# Altium PCB IDC_MCX_Adapter.PCBDOC (part 3 of 3)
Units mm, origin at the board's own origin, x right, y up, seen from the top; angles counter-clockwise.
Board outline 125 x 100 mm, 6 copper layers (L1, GND1, L2, L3, GND2, L4), stack 1.516 mm thick; 264 components, 203 nets, 818 pads, 676 vias.
Unrouted connection lines stored in the file: 2.
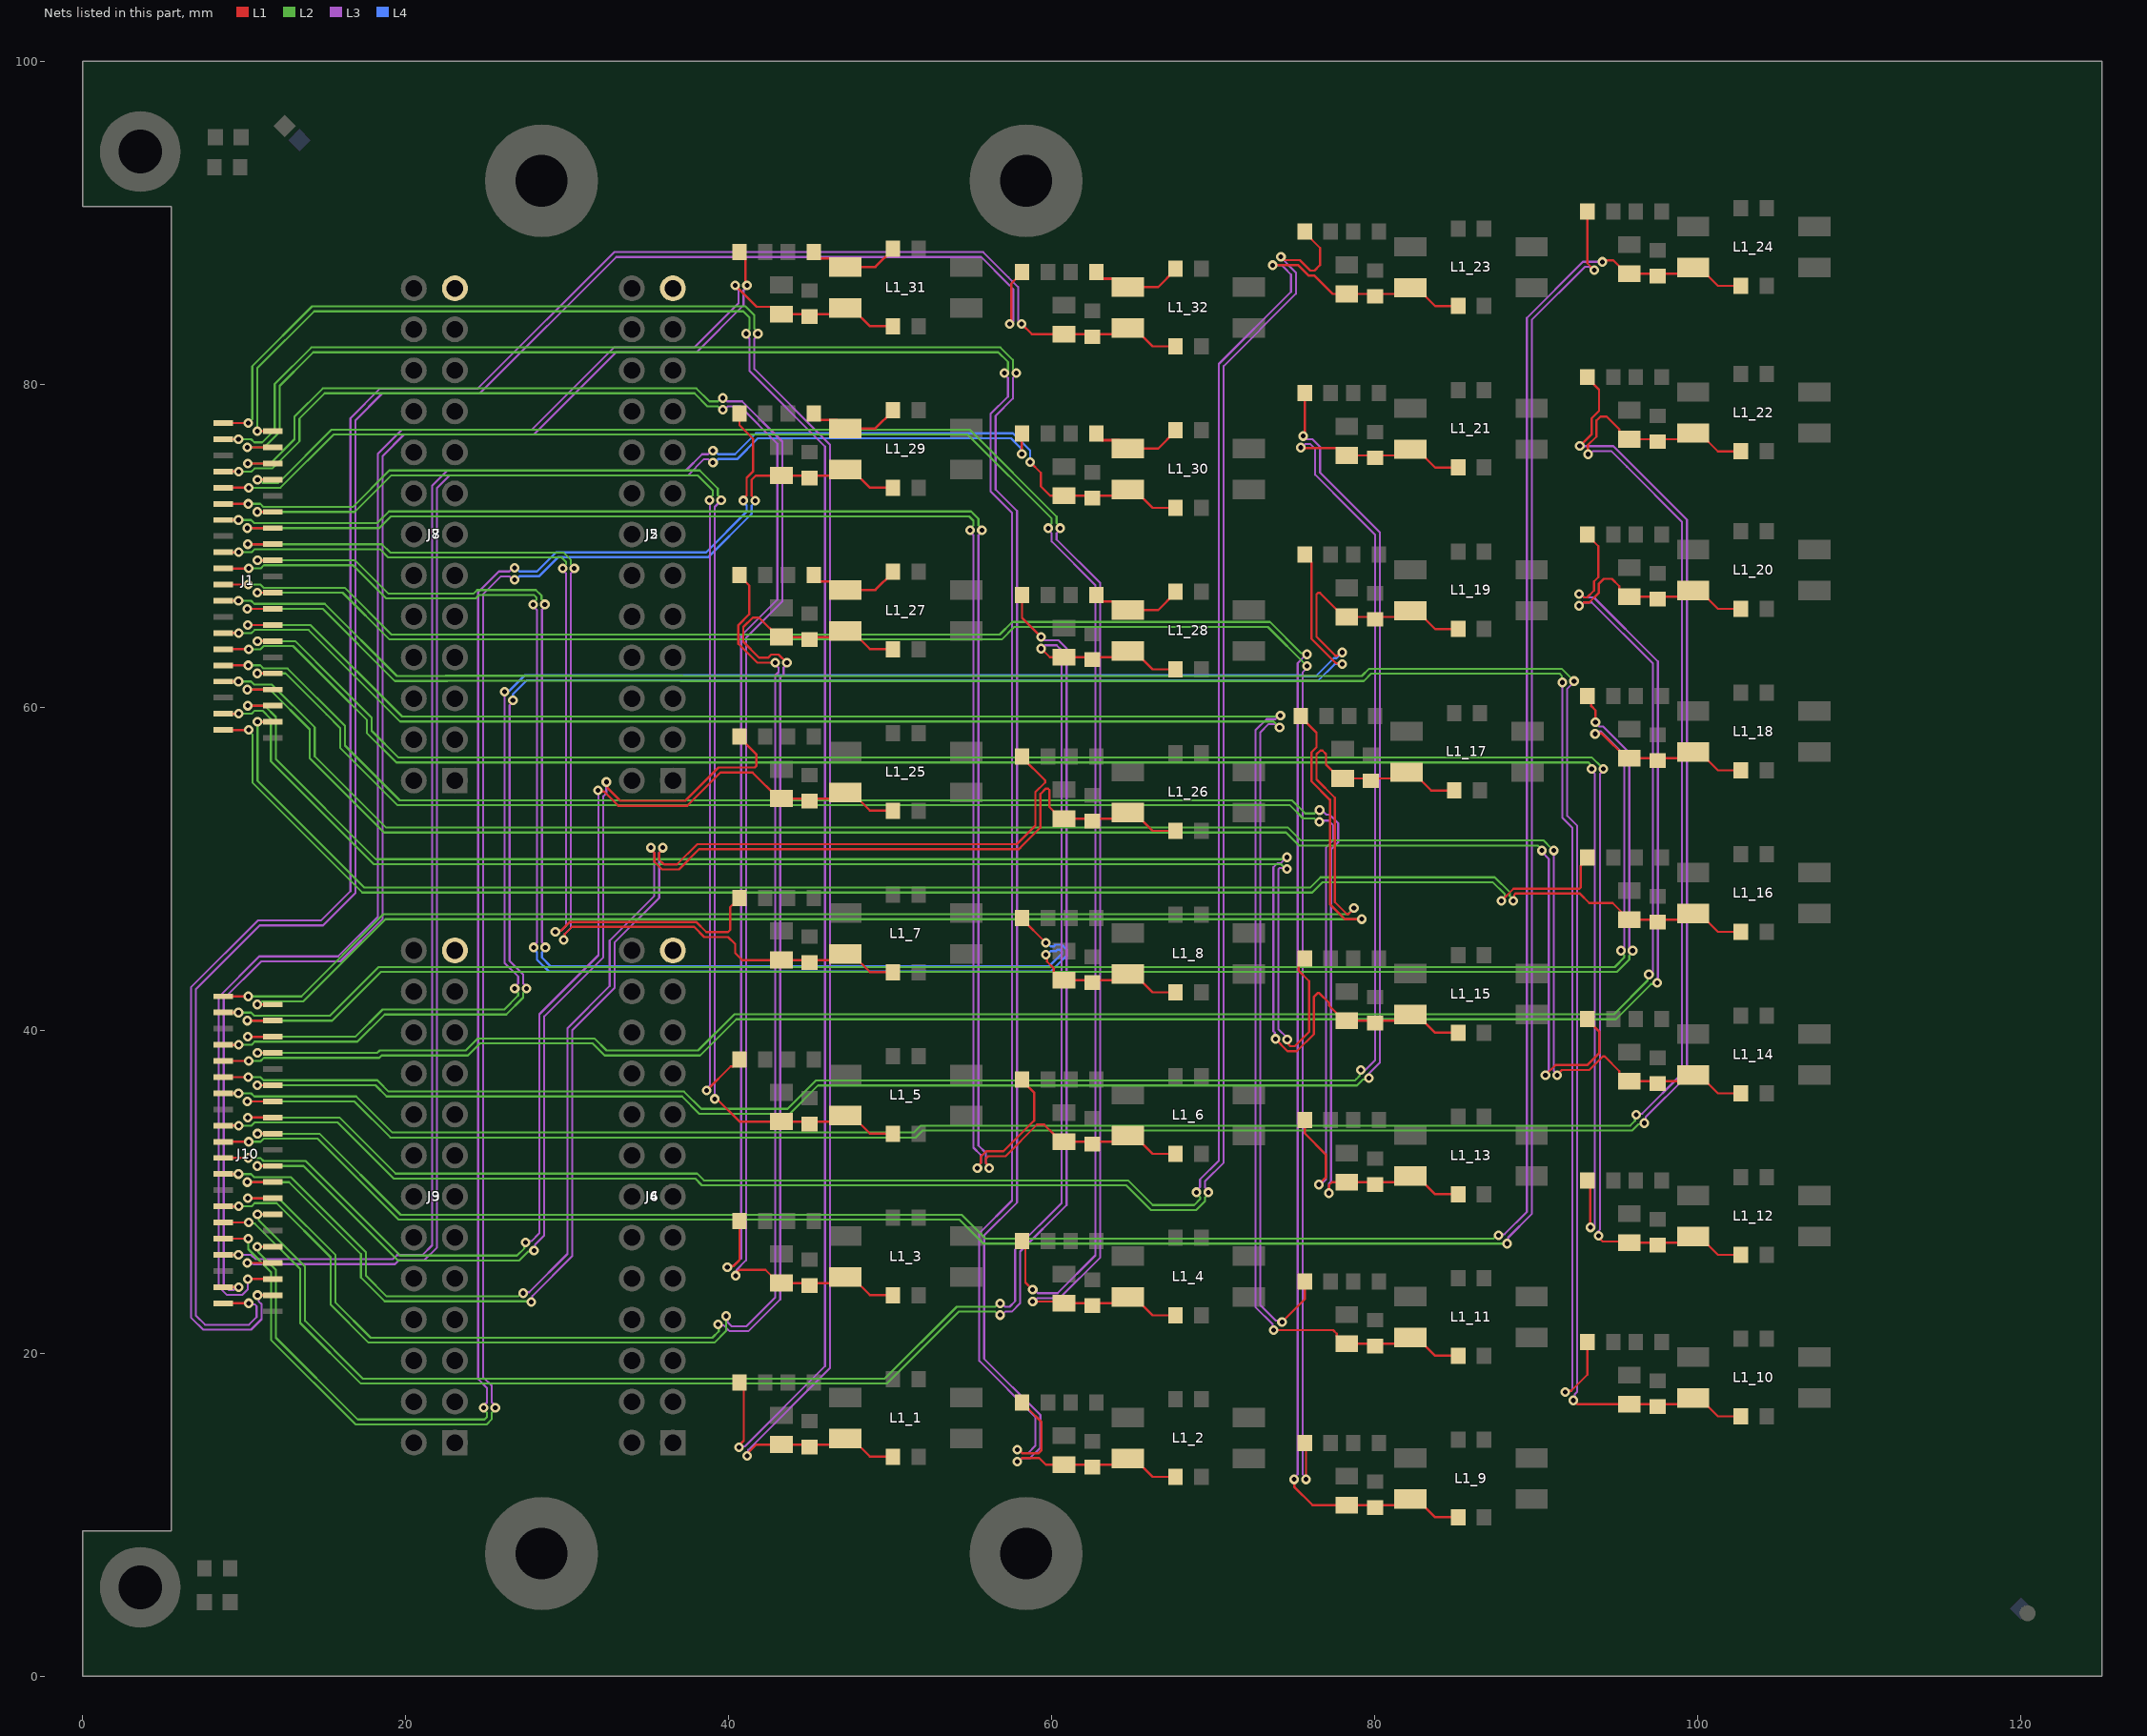
[diagram p7: the nets of this part, all layers, seen from the top]

## Via types
v1: diameter 0.6, hole 0.3, L1 to L4, tented both sides, 676 vias

## Nets (pads, with @x,y where several pads share a name; then routed paths per layer and width w, separated by ;. In a path a pad name is that pad's centre, name@x,y a point inside that pad or via, vN(x,y) a via of type N, cw(c..) or ccw(c..) an arc to the next point about the centre after c; other vN are vias at no path point) (continued)
NetL1_27_1: L1_27.1 R1_27.1 R2_27.2 | length 5.8
  L1 w0.152: R2_27.2@45.25,68.2 45.25,68.168 45.624,67.794 46.676,67.794 L1_27.1@47.2,67.27 49.07,67.27 50.15,68.35 R1_27.1@50.15,68.4
NetL1_28_1: L1_28.1 R1_28.1 R2_28.2 | length 5.8
  L1 w0.152: R2_28.2@62.75,66.95 62.75,66.918 63.124,66.544 64.176,66.544 L1_28.1@64.7,66.02 66.57,66.02 67.65,67.1 R1_28.1@67.65,67.15
NetL1_29_1: L1_29.1 R1_29.1 R2_29.2 | length 5.8
  L1 w0.152: R2_29.2@45.25,78.2 45.25,78.168 45.624,77.794 46.676,77.794 L1_29.1@47.2,77.27 49.07,77.27 50.15,78.35 R1_29.1@50.15,78.4
NetL1_30_1: L1_30.1 R1_30.1 R2_30.2 | length 5.8
  L1 w0.152: R2_30.2@62.75,76.95 62.75,76.918 63.124,76.544 64.176,76.544 L1_30.1@64.7,76.02 66.57,76.02 67.65,77.1 R1_30.1@67.65,77.15
NetL1_31_1: L1_31.1 R1_31.1 R2_31.2 | length 5.8
  L1 w0.152: R2_31.2@45.25,88.2 45.25,88.168 45.624,87.794 46.676,87.794 L1_31.1@47.2,87.27 49.07,87.27 50.15,88.35 R1_31.1@50.15,88.4
NetL1_32_1: L1_32.1 R1_32.1 R2_32.2 | length 5.8
  L1 w0.152: R2_32.2@62.75,86.95 62.75,86.918 63.124,86.544 64.176,86.544 L1_32.1@64.7,86.02 66.57,86.02 67.65,87.1 R1_32.1@67.65,87.15
OUT_N1: C1_1.1 J1.1 L1_1.2 R4_1.1 R5_1.1 | length 122.9
  L1 w0.137: J1.1@8.7,77.6 v1(10.242,77.6) ; v1(41.132,13.656) 41.132,13.781 41.701,14.35 C1_1.1@43.25,14.35 46.82,14.35 L1_1.2@47.2,14.73 47.6,14.73 48.73,13.6 R5_1.1@50.15,13.6
  L3 w0.127: v1(41.132,13.656) 41.202,13.727 41.202,14.025 46.253,19.076 46.253,76.276 41.577,80.953 41.577,82.823 41.788,83.034 v1(41.788,83.134)
  L2 w0.127: v1(10.242,77.6) 10.487,77.844 10.487,81.124 14.192,84.828 41.019,84.828 41.577,84.271 41.577,83.445 41.788,83.234 v1(41.788,83.134)
OUT_N2: C1_2.1 J1.3 L1_2.2 R4_2.1 R5_2.1 | length 136.8
  L1 w0.137: J1.3@8.7,76.6 v1(9.633,76.6) ; v1(57.855,13.302) 57.956,13.302 58.167,13.513 59.207,13.513 59.62,13.1 C1_2.1@60.75,13.1 64.32,13.1 L1_2.2@64.7,13.48 65.1,13.48 66.23,12.35 R5_2.1@67.65,12.35
  L3 w0.127: v1(57.791,80.698) 57.791,80.598 57.579,80.387 57.579,79.119 56.509,78.048 56.509,73.488 57.836,72.161 57.836,29.337 55.804,27.305 55.804,19.66 59.279,16.184 59.279,14.153 58.639,13.513 58.166,13.513 57.955,13.302 v1(57.855,13.302)
  L2 w0.127: v1(9.633,76.6) 10.418,76.6 10.614,76.405 11.101,76.405 11.879,77.183 11.879,80.027 14.141,82.288 56.802,82.288 57.579,81.511 57.579,80.698 v1(57.791,80.698)
OUT_N3: C1_3.1 J1.6 L1_3.2 R4_3.1 R5_3.1 | length 102.7
  L1 w0.137: v1(10.208,75.1) J1.6@11.75,75.1 ; v1(40.417,24.81) 40.417,24.927 40.66,25.169 42.256,25.169 43.075,24.35 C1_3.1@43.25,24.35 46.82,24.35 L1_3.2@47.2,24.73 47.6,24.73 48.73,23.6 R5_3.1@50.15,23.6
  L3 w0.127: v1(39.624,79.154) 39.692,79.154 39.903,78.943 ; 39.929,78.943 40.818,78.943 43.307,76.454 43.307,66.549 41.061,64.303 41.061,25.752 40.488,25.179 40.488,24.88 v1(40.417,24.81)
  L2 w0.127: v1(10.208,75.1) 11.608,75.1 13.106,76.599 13.106,78.003 14.852,79.748 37.991,79.748 38.797,78.943 39.313,78.943 39.524,79.154 v1(39.624,79.154)
OUT_N4: C1_4.1 J1.8 L1_4.2 R4_4.1 R5_4.1 | length 116.1
  L1 w0.137: v1(10.817,74.1) J1.8@11.75,74.1 ; v1(58.808,23.207) 60.643,23.207 C1_4.1@60.75,23.1 62.35,23.1 R4_4.1@62.5,22.95 ; R4_4.1@62.5,23.1 64.32,23.1 L1_4.2@64.7,23.48 65.1,23.48 66.23,22.35 R5_4.1@67.65,22.35
  L3 w0.127: v1(58.808,23.207) 58.908,23.207 59.119,23.418 60.477,23.418 62.996,25.937 62.996,67.687 60.29,70.393 60.29,70.784 60.501,70.995 v1(60.501,71.095)
  L2 w0.127: v1(10.817,74.1) 10.933,74.1 11.128,73.905 12.107,73.905 15.397,77.194 54.91,77.194 60.29,71.815 60.29,71.405 60.501,71.194 v1(60.501,71.095)
OUT_N5: C1_5.1 J1.11 L1_5.2 R4_5.1 R5_5.1 | length 82.4
  L1 w0.137: J1.11@8.7,72.6 v1(10.242,72.6) ; v1(39.125,35.754) 39.246,35.754 40.65,34.35 C1_5.1@43.25,34.35 46.82,34.35 L1_5.2@47.2,34.73 47.6,34.73 48.73,33.6 R5_5.1@50.15,33.6
  L3 w0.127: v1(39.125,35.754) 39.125,72.409 39.52,72.804 v1(39.52,72.822)
  L2 w0.127: v1(10.242,72.6) 10.985,72.6 11.181,72.405 16.71,72.405 18.974,74.668 38.187,74.668 39.309,73.546 39.309,73.133 39.52,72.922 v1(39.52,72.822)
OUT_N6: C1_6.1 J1.13 L1_6.2 R4_6.1 R5_6.1 | length 102.3
  L1 w0.137: J1.13@8.7,71.6 v1(9.633,71.6) ; v1(56.112,31.471) 56.112,31.571 55.901,31.782 55.901,32.051 56.057,32.207 57.125,32.207 59.08,34.163 59.512,34.163 60.119,33.556 60.575,33.1 C1_6.1@60.75,33.1 64.32,33.1 L1_6.2@64.7,33.48 65.1,33.48 66.23,32.35 R5_6.1@67.65,32.35
  L3 w0.127: v1(55.659,70.968) 55.659,70.868 55.448,70.657 55.448,32.862 55.901,32.41 55.901,31.781 56.112,31.57 v1(56.112,31.471)
  L2 w0.127: v1(9.633,71.6) 10.418,71.6 10.614,71.405 18.225,71.405 18.948,72.128 19.075,72.128 54.998,72.128 55.105,72.021 55.448,71.678 55.448,71.278 55.659,71.067 v1(55.659,70.968)
OUT_N7: C1_7.1 J1.16 L1_7.2 R4_7.1 R5_7.1 | length 68.5
  L1 w0.137: v1(10.208,70.1) J1.16@11.75,70.1 ; v1(29.769,45.593) 29.84,45.664 29.84,45.963 30.283,46.406 37.85,46.406 38.48,45.776 39.951,45.776 40.385,45.343 40.385,44.786 40.821,44.35 C1_7.1@43.25,44.35 46.82,44.35 L1_7.2@47.2,44.73 47.6,44.73 48.73,43.6 R5_7.1@50.15,43.6
  L3 w0.127: v1(29.769,45.593) 29.839,45.664 29.839,45.962 30.217,46.34 30.217,68.295 30.428,68.506 v1(30.428,68.605)
  L2 w0.127: v1(10.208,70.1) 18.521,70.1 19.032,69.588 29.757,69.588 30.217,69.128 30.217,68.853 30.428,68.642 v1(30.428,68.605)
OUT_N8: C1_8.1 J1.18 L1_8.2 R4_8.1 R5_8.1 | length 86.1
  L1 w0.137: v1(10.817,69.1) J1.18@11.75,69.1 ; v1(59.614,44.688) 59.702,44.6 59.702,44.25 60.119,43.834 60.119,43.556 60.575,43.1 C1_8.1@60.75,43.1 64.32,43.1 L1_8.2@64.7,43.48 65.1,43.48 66.23,42.35 R5_8.1@67.65,42.35
  L3 w0.127: v1(28.605,66.374) 28.605,66.246 28.423,66.064 28.423,45.447 28.634,45.236 v1(28.634,45.136)
  L2 w0.127: v1(10.817,69.1) 16.854,69.1 18.905,67.049 24.199,67.049 24.418,67.268 28.046,67.268 28.394,66.92 28.394,66.685 28.605,66.474 v1(28.605,66.374)
  L4 w0.137: v1(28.634,45.136) 28.634,45.035 28.423,44.824 28.423,44.501 28.973,43.951 59.808,43.951 60.605,44.748 60.605,44.862 60.466,45.001 60.346,45.001 60.244,44.899 59.926,44.899 59.714,44.688 v1(59.614,44.688)
OUT_N9: C1_9.1 J1.21 L1_9.2 R4_9.1 R5_9.1 | length 132.6
  L1 w0.137: J1.21@8.7,67.6 v1(10.242,67.6) ; v1(75,12.192) 75,11.737 76.137,10.6 C1_9.1@78.25,10.6 80,10.6 81.82,10.6 L1_9.2@82.2,10.98 82.6,10.98 83.73,9.85 R5_9.1@85.15,9.85
  L3 w0.127: v1(75,12.192) 75,12.292 75.211,12.503 75.211,13.31 75.211,62.737 75.753,63.279 v1(75.794,63.279)
  L2 w0.127: v1@10.268,67.599 10.986,67.599 11.181,67.405 16.212,67.405 19.108,64.509 56.762,64.509 57.537,65.284 73.493,65.284 75.426,63.351 75.722,63.351 v1(75.794,63.279)
OUT_N10: C1_10.1 J1.23 L1_10.2 R4_10.1 R5_10.1 | length 142
  L1 w0.137: J1.23@8.7,66.6 v1(9.633,66.6) ; v1(92.287,17.085) 92.522,16.85 C1_10.1@95.75,16.85 99.32,16.85 L1_10.2@99.7,17.23 100.1,17.23 101.23,16.1 R5_10.1@102.65,16.1
  L3 w0.127: v1@92.236,61.482 91.903,61.15 91.903,53.283 92.524,52.663 92.524,17.627 92.367,17.471 92.367,17.165 v1(92.287,17.085)
  L2 w0.127: v1(9.633,66.6) 10.418,66.6 10.614,66.405 14.977,66.405 19.447,61.935 22.429,61.935 22.449,61.954 37.116,61.954 37.135,61.935 79.181,61.935 79.636,62.389 91.556,62.389 v1(92.321,61.625)
OUT_N11: C1_11.1 J1.26 L1_11.2 R4_11.1 R5_11.1 | length 119.9
  L1 w0.137: v1(10.208,65.1) J1.26@11.75,65.1 ; v1(73.73,21.432) 77.418,21.432 77.629,21.221 77.629,21.056 78.086,20.6 C1_11.1@78.25,20.6 81.82,20.6 L1_11.2@82.2,20.98 82.6,20.98 83.73,19.85 R5_11.1@85.15,19.85
  L3 w0.127: v1(73.73,21.432) 73.66,21.502 73.66,21.801 72.596,22.865 72.596,58.572 73.294,59.271 73.836,59.271 74.046,59.481 v1(74.146,59.481)
  L2 w0.127: v1(10.208,65.1) 14.097,65.1 19.769,59.429 74.094,59.429 v1(74.146,59.481)
OUT_N12: C1_12.1 J1.28 L1_12.2 R4_12.1 R5_12.1 | length 126.9
  L1 w0.137: v1(10.817,64.1) J1.28@11.75,64.1 ; v1(93.849,27.283) 93.849,27.173 94.095,26.927 95.673,26.927 C1_12.1@95.75,26.85 99.32,26.85 L1_12.2@99.7,27.23 100.1,27.23 101.23,26.1 R5_12.1@102.65,26.1
  L3 w0.127: v1(93.849,27.283) 93.753,27.38 93.753,27.485 93.921,27.653 93.921,55.866 94.14,56.085 v1(94.14,56.185)
  L2 w0.127: v1(10.817,64.1) 13.141,64.1 15.659,61.582 17.882,59.359 17.882,58.546 19.539,56.888 93.437,56.888 93.986,56.339 93.986,56.318 93.929,56.261 94.005,56.185 v1(94.14,56.185)
OUT_N13: C1_13.1 J1.31 L1_13.2 R4_13.1 R5_13.1 | length 106.3
  L1 w0.137: J1.31@8.7,62.6 v1(10.242,62.6) ; v1(77.146,29.915) 77.165,29.934 77.165,30.421 77.344,30.6 C1_13.1@78.25,30.6 80,30.6 81.82,30.6 L1_13.2@82.2,30.98 82.6,30.98 83.73,29.85 R5_13.1@85.15,29.85
  L3 w0.127: v1(76.569,53.635) 76.697,53.635 76.967,53.365 77.18,53.365 77.724,52.821 77.724,51.647 77.279,51.203 77.279,30.646 77.146,30.512 v1(77.146,29.915)
  L2 w0.127: v1(10.242,62.6) 10.985,62.6 11.181,62.405 12.677,62.405 16.231,58.851 16.231,57.632 19.62,54.243 74.859,54.243 75.678,53.424 76.258,53.424 76.47,53.635 v1(76.569,53.635)
OUT_N14: C1_14.1 J1.33 L1_14.2 R4_14.1 R5_14.1 | length 115.1
  L1 w0.137: J1.33@8.7,61.6 v1(9.633,61.6) ; v1(91.278,37.228) 91.278,37.253 91.567,37.541 93.263,37.541 94.104,38.382 94.218,38.382 95.129,37.471 95.129,37.306 95.586,36.85 C1_14.1@95.75,36.85 99.32,36.85 L1_14.2@99.7,37.23 100.1,37.23 101.23,36.1 R5_14.1@102.65,36.1
  L3 w0.127: v1(91.067,51.13) 91.067,37.496 91.278,37.285 v1(91.278,37.228)
  L2 w0.127: v1(9.633,61.6) 10.418,61.6 10.614,61.405 11.709,61.405 14.351,58.762 14.351,56.972 18.771,52.553 74.617,52.553 75.417,51.752 90.446,51.752 90.913,51.285 90.913,51.261 90.856,51.205 90.931,51.13 v1(91.067,51.13)
OUT_N15: C1_15.1 J1.36 L1_15.2 R4_15.1 R5_15.1 | length 99.1
  L1 w0.137: v1(10.208,60.1) J1.36@11.75,60.1 ; v1(73.838,39.472) 73.838,39.452 74.58,38.71 75.159,38.71 76.225,39.776 76.225,42.088 76.437,42.3 76.55,42.3 77.155,41.695 77.155,41.52 78.075,40.6 C1_15.1@78.25,40.6 81.82,40.6 L1_15.2@82.2,40.98 82.6,40.98 83.73,39.85 R5_15.1@85.15,39.85
  L3 w0.127: v1(73.838,39.472) 73.793,39.516 73.793,39.867 73.713,39.947 73.713,50.1 73.966,50.353 74.187,50.353 v1(74.549,50.714)
  L2 w0.127: v1(10.208,60.1) 11.249,60.1 11.95,59.398 11.95,56.782 18.136,50.596 74.238,50.596 74.266,50.624 74.458,50.624 v1(74.549,50.714)
OUT_N16: C1_16.1 J1.38 L1_16.2 R4_16.1 R5_16.1 | length 101.9
  L1 w0.137: v1(10.817,59.1) J1.38@11.75,59.1 ; v1(88.552,48.006) 88.616,48.07 88.616,48.383 88.697,48.463 92.685,48.463 93.263,47.885 94.715,47.885 C1_16.1@95.75,46.85 99.32,46.85 L1_16.2@99.7,47.23 100.1,47.23 101.23,46.1 R5_16.1@102.65,46.1
  L2 w0.127: v1(10.817,59.1) 10.817,55.451 17.436,48.833 75.985,48.833 76.632,49.479 87.414,49.479 88.341,48.552 88.341,48.317 88.552,48.106 v1(88.552,48.006)
OUT_N17: C1_17.1 J10.1 L1_17.2 R4_17.1 R5_17.1 | length 93.9
  L1 w0.137: J10.1@8.7,42.1 v1(10.242,42.1) ; v1(78.693,47.58) 78.693,47.529 78.364,47.2 78.25,47.2 77.515,47.936 77.515,54.404 76.378,55.541 76.378,57.093 76.612,57.328 76.748,57.328 76.968,57.108 76.968,56.457 77.825,55.6 C1_17.1@78,55.6 81.57,55.6 L1_17.2@81.95,55.98 82.35,55.98 83.48,54.85 R5_17.1@84.9,54.85
  L2 w0.127: v1(10.242,42.1) 13.526,42.1 18.613,47.187 78.317,47.187 78.693,47.563 v1(78.693,47.58)
OUT_N18: C1_18.1 J10.3 L1_18.2 R4_18.1 R5_18.1 | length 113.8
  L1 w0.137: J10.3@8.7,41.1 v1(9.633,41.1) ; v1(93.624,58.354) 93.645,58.375 94.05,58.375 95.575,56.85 C1_18.1@95.75,56.85 99.32,56.85 L1_18.2@99.7,57.23 100.1,57.23 101.23,56.1 R5_18.1@102.65,56.1
  L3 w0.127: v1(93.624,58.354) 93.737,58.354 93.886,58.504 93.996,58.504 95.438,57.062 95.438,45.069 95.302,44.933 v1(95.226,44.933)
  L2 w0.127: v1(9.633,41.1) 10.418,41.1 10.614,40.905 15.302,40.905 18.313,43.917 94.841,43.917 95.438,44.513 95.438,44.622 95.226,44.833 v1(95.226,44.933)
OUT_N19: C1_19.1 J10.6 L1_19.2 R4_19.1 R5_19.1 | length 106.5
  L1 w0.137: v1(10.208,39.6) J10.6@11.75,39.6 ; v1(77.978,63.4) 77.871,63.4 77.666,63.196 77.553,63.196 76.376,64.373 76.376,66.994 76.465,67.084 76.591,67.084 78.075,65.6 C1_19.1@78.25,65.6 81.82,65.6 L1_19.2@82.2,65.98 82.6,65.98 83.73,64.85 R5_19.1@85.15,64.85
  L3 w0.127: v1(26.115,60.956) 26.115,44.168 26.952,43.331 26.952,42.907 26.692,42.647 26.692,42.644 v1(26.741,42.596)
  L2 w0.127: v1(10.208,39.6) 16.868,39.6 18.556,41.288 26.088,41.288 26.952,42.152 26.952,42.314 26.741,42.525 v1(26.741,42.596)
  L4 w0.137: v1@26.039,60.956 26.105,61.023 26.404,61.023 27.357,61.976 75.489,61.976 75.536,61.93 76.33,61.93 77.45,63.05 77.613,63.05 77.964,63.4 v1(77.978,63.4)
OUT_N20: C1_20.1 J10.8 L1_20.2 R4_20.1 R5_20.1 | length 127.9
  L1 w0.137: v1(10.817,38.6) J10.8@11.75,38.6 ; v1(92.634,66.289) 92.734,66.289 92.946,66.5 93.264,66.5 93.866,67.102 93.866,67.664 94.164,67.961 94.669,67.961 95.126,67.504 95.126,67.299 95.575,66.85 C1_20.1@95.75,66.85 99.32,66.85 L1_20.2@99.7,67.23 100.1,67.23 101.23,66.1 R5_20.1@102.65,66.1
  L3 w0.127: v1(92.634,66.289) 92.734,66.289 92.945,66.5 93.419,66.5 97.206,62.713 97.206,43.459 96.958,43.459 v1(96.955,43.456)
  L2 w0.127: v1(10.817,38.6) 18.229,38.6 18.378,38.748 23.712,38.748 24.463,39.5 31.677,39.5 32.428,38.749 38.089,38.749 40.33,40.989 94.787,40.989 96.885,43.087 96.885,43.386 v1(96.955,43.456)
OUT_N21: C1_21.1 J10.11 L1_21.2 R4_21.1 R5_21.1 | length 124.6
  L1 w0.137: J10.11@8.7,37.1 v1(10.242,37.1) ; v1(75.399,76.086) 75.436,76.049 77.801,76.049 C1_21.1@78.25,75.6 81.82,75.6 L1_21.2@82.2,75.98 82.6,75.98 83.73,74.85 R5_21.1@85.15,74.85
  L3 w0.127: v1(75.399,76.086) 75.464,76.086 75.678,76.3 76,76.3 76.295,76.005 76.295,74.405 78.5,72.2 80,70.7 80,38.131 79.41,37.541 79.121,37.541 v1(79.116,37.546)
  L2 w0.127: v1(10.242,37.1) 10.985,37.1 11.181,36.905 18.239,36.905 18.328,36.816 18.935,36.209 37.222,36.209 38.295,35.137 43.637,35.137 45.391,36.891 78.759,36.891 78.834,36.965 79.065,37.196 79.065,37.494 v1(79.116,37.546)
OUT_N22: C1_22.1 J10.13 L1_22.2 R4_22.1 R5_22.1 | length 147.6
  L1 w0.137: J10.13@8.7,36.1 v1(9.633,36.1) ; v1(93.189,75.67) 93.171,75.688 93.171,76.228 93.712,76.769 93.712,77.758 93.958,78.003 94.347,78.003 95.129,77.221 95.129,77.056 95.586,76.6 C1_22.1@95.75,76.6 99.32,76.6 L1_22.2@99.7,76.98 100.1,76.98 101.23,75.85 R5_22.1@102.65,75.85
  L3 w0.127: v1(93.189,75.67) 93.298,75.67 93.5,75.872 94.628,75.872 95.6,74.9 99.009,71.491 99.009,37.309 96.538,34.838 96.24,34.838 v1(96.169,34.768)
  L2 w0.127: v1(9.633,36.1) 10.418,36.1 10.614,35.905 16.926,35.905 19.163,33.669 51.444,33.669 51.876,34.1 95.8,34.1 96.099,34.399 96.099,34.697 v1(96.169,34.768)
OUT_N23: C1_23.1 J10.16 L1_23.2 R4_23.1 R5_23.1 | length 137.2
  L1 w0.137: v1(10.208,34.6) J10.16@11.75,34.6 ; v1(73.664,87.38) 73.674,87.39 75.225,87.39 75.874,86.741 76.236,86.741 77.377,85.6 79.85,85.6 R4_23.1@80,85.45 ; R4_23.1@79.8,85.6 81.82,85.6 L1_23.2@82.2,85.98 82.6,85.98 83.73,84.85 R5_23.1@85.15,84.85
  L3 w0.127: v1(68.953,29.972) 68.953,30.072 69.164,30.283 69.164,30.764 70.329,31.929 70.329,81.26 74.8,85.731 74.8,86.8 74.4,87.2 74.22,87.38 v1(73.664,87.38)
  L2 w0.127: v1(10.208,34.6) 15.895,34.6 19.367,31.129 38.035,31.129 38.455,30.709 64.719,30.709 66.25,29.178 68.802,29.178 69.18,29.556 69.18,29.661 68.953,29.888 v1(68.953,29.972)
OUT_N24: C1_24.1 J10.18 L1_24.2 R4_24.1 R5_24.1 | length 154
  L1 w0.137: v1(10.817,33.6) J10.18@11.75,33.6 ; v1(94.088,87.585) 94.176,87.674 94.751,87.674 95.575,86.85 C1_24.1@95.75,86.85 99.32,86.85 L1_24.2@99.7,87.23 100.1,87.23 101.23,86.1 R5_24.1@102.65,86.1
  L3 w0.127: v1(87.655,27.305) 87.726,27.376 88.025,27.376 89.4,28.751 89.4,84.116 92.869,87.585 v1(94.088,87.585)
  L2 w0.127: v1(10.817,33.6) 11.206,33.6 14.659,33.6 19.684,28.575 54.407,28.575 55.886,27.096 87.345,27.096 87.554,27.305 v1(87.655,27.305)
OUT_N25: C1_25.1 J10.21 L1_25.2 R4_25.1 R5_25.1 | length 72.5
  L1 w0.137: J10.21@8.7,32.1 v1(10.242,32.1) ; v1(31.898,54.86) 31.97,54.789 32.268,54.789 33.148,53.91 37.424,53.91 39.48,55.966 41.459,55.966 43.075,54.35 C1_25.1@43.25,54.35 46.82,54.35 L1_25.2@47.2,54.73 47.6,54.73 48.73,53.6 R5_25.1@50.15,53.6
  L3 w0.127: v1(27.407,26.873) 27.477,26.944 27.776,26.944 28.263,27.431 28.263,40.994 31.923,44.654 31.923,54.836 v1(31.898,54.86)
  L2 w0.127: v1@10.268,32.1 10.277,32.09 10.995,32.09 11.181,31.905 13.79,31.905 19.646,26.049 26.881,26.049 27.336,26.504 27.336,26.803 v1(27.407,26.873)
OUT_N26: C1_26.1 J10.23 L1_26.2 R4_26.1 R5_26.1 | length 92.6
  L1 w0.137: J10.23@8.7,31.1 v1(9.633,31.1) ; v1(35.171,51.308) 35.171,51.207 35.382,50.996 35.382,50.445 35.866,49.962 36.905,49.962 38.168,51.224 57.954,51.224 58.044,51.313 59.281,52.551 ; 59.282,52.55 59.282,54.629 59.622,54.969 59.749,54.969 59.847,54.871 59.847,53.828 60.575,53.1 C1_26.1@60.75,53.1 64.32,53.1 L1_26.2@64.7,53.48 65.1,53.48 66.23,52.35 R5_26.1@67.65,52.35
  L3 w0.127: v1(27.254,23.724) 27.316,23.786 27.632,23.786 30,26.154 30,40.131 32.614,42.745 32.614,45.551 35.382,48.319 35.382,50.997 35.171,51.208 v1(35.171,51.308)
  L2 w0.127: v1(9.633,31.1) 10.418,31.1 10.614,30.905 12.885,30.905 17.526,26.264 17.526,24.816 18.82,23.523 26.943,23.523 27.144,23.724 v1(27.254,23.724)
OUT_N27: C1_27.1 J10.26 L1_27.2 R4_27.1 R5_27.1 | length 96
  L1 w0.137: v1(10.208,29.6) J10.26@11.75,29.6 ; v1(43.59,62.763) 43.082,63.271 42.621,63.271 42.418,63.068 41.885,63.068 40.894,64.059 40.894,64.973 41.478,65.557 41.868,65.557 43.075,64.35 C1_27.1@43.25,64.35 46.82,64.35 L1_27.2@47.2,64.73 47.6,64.73 48.73,63.6 R5_27.1@50.15,63.6